# Altium PCB Turbo.PcbDoc (part 3 of 3)
Units mil, origin at the board's own origin, x right, y up, seen from the top; angles counter-clockwise.
Board outline 2244.09 x 2086.61 mil, 4 copper layers (Top Layer, GND, Power, Bottom Layer), stack 23.756 mil thick; 189 components, 157 nets, 733 pads, 481 vias.
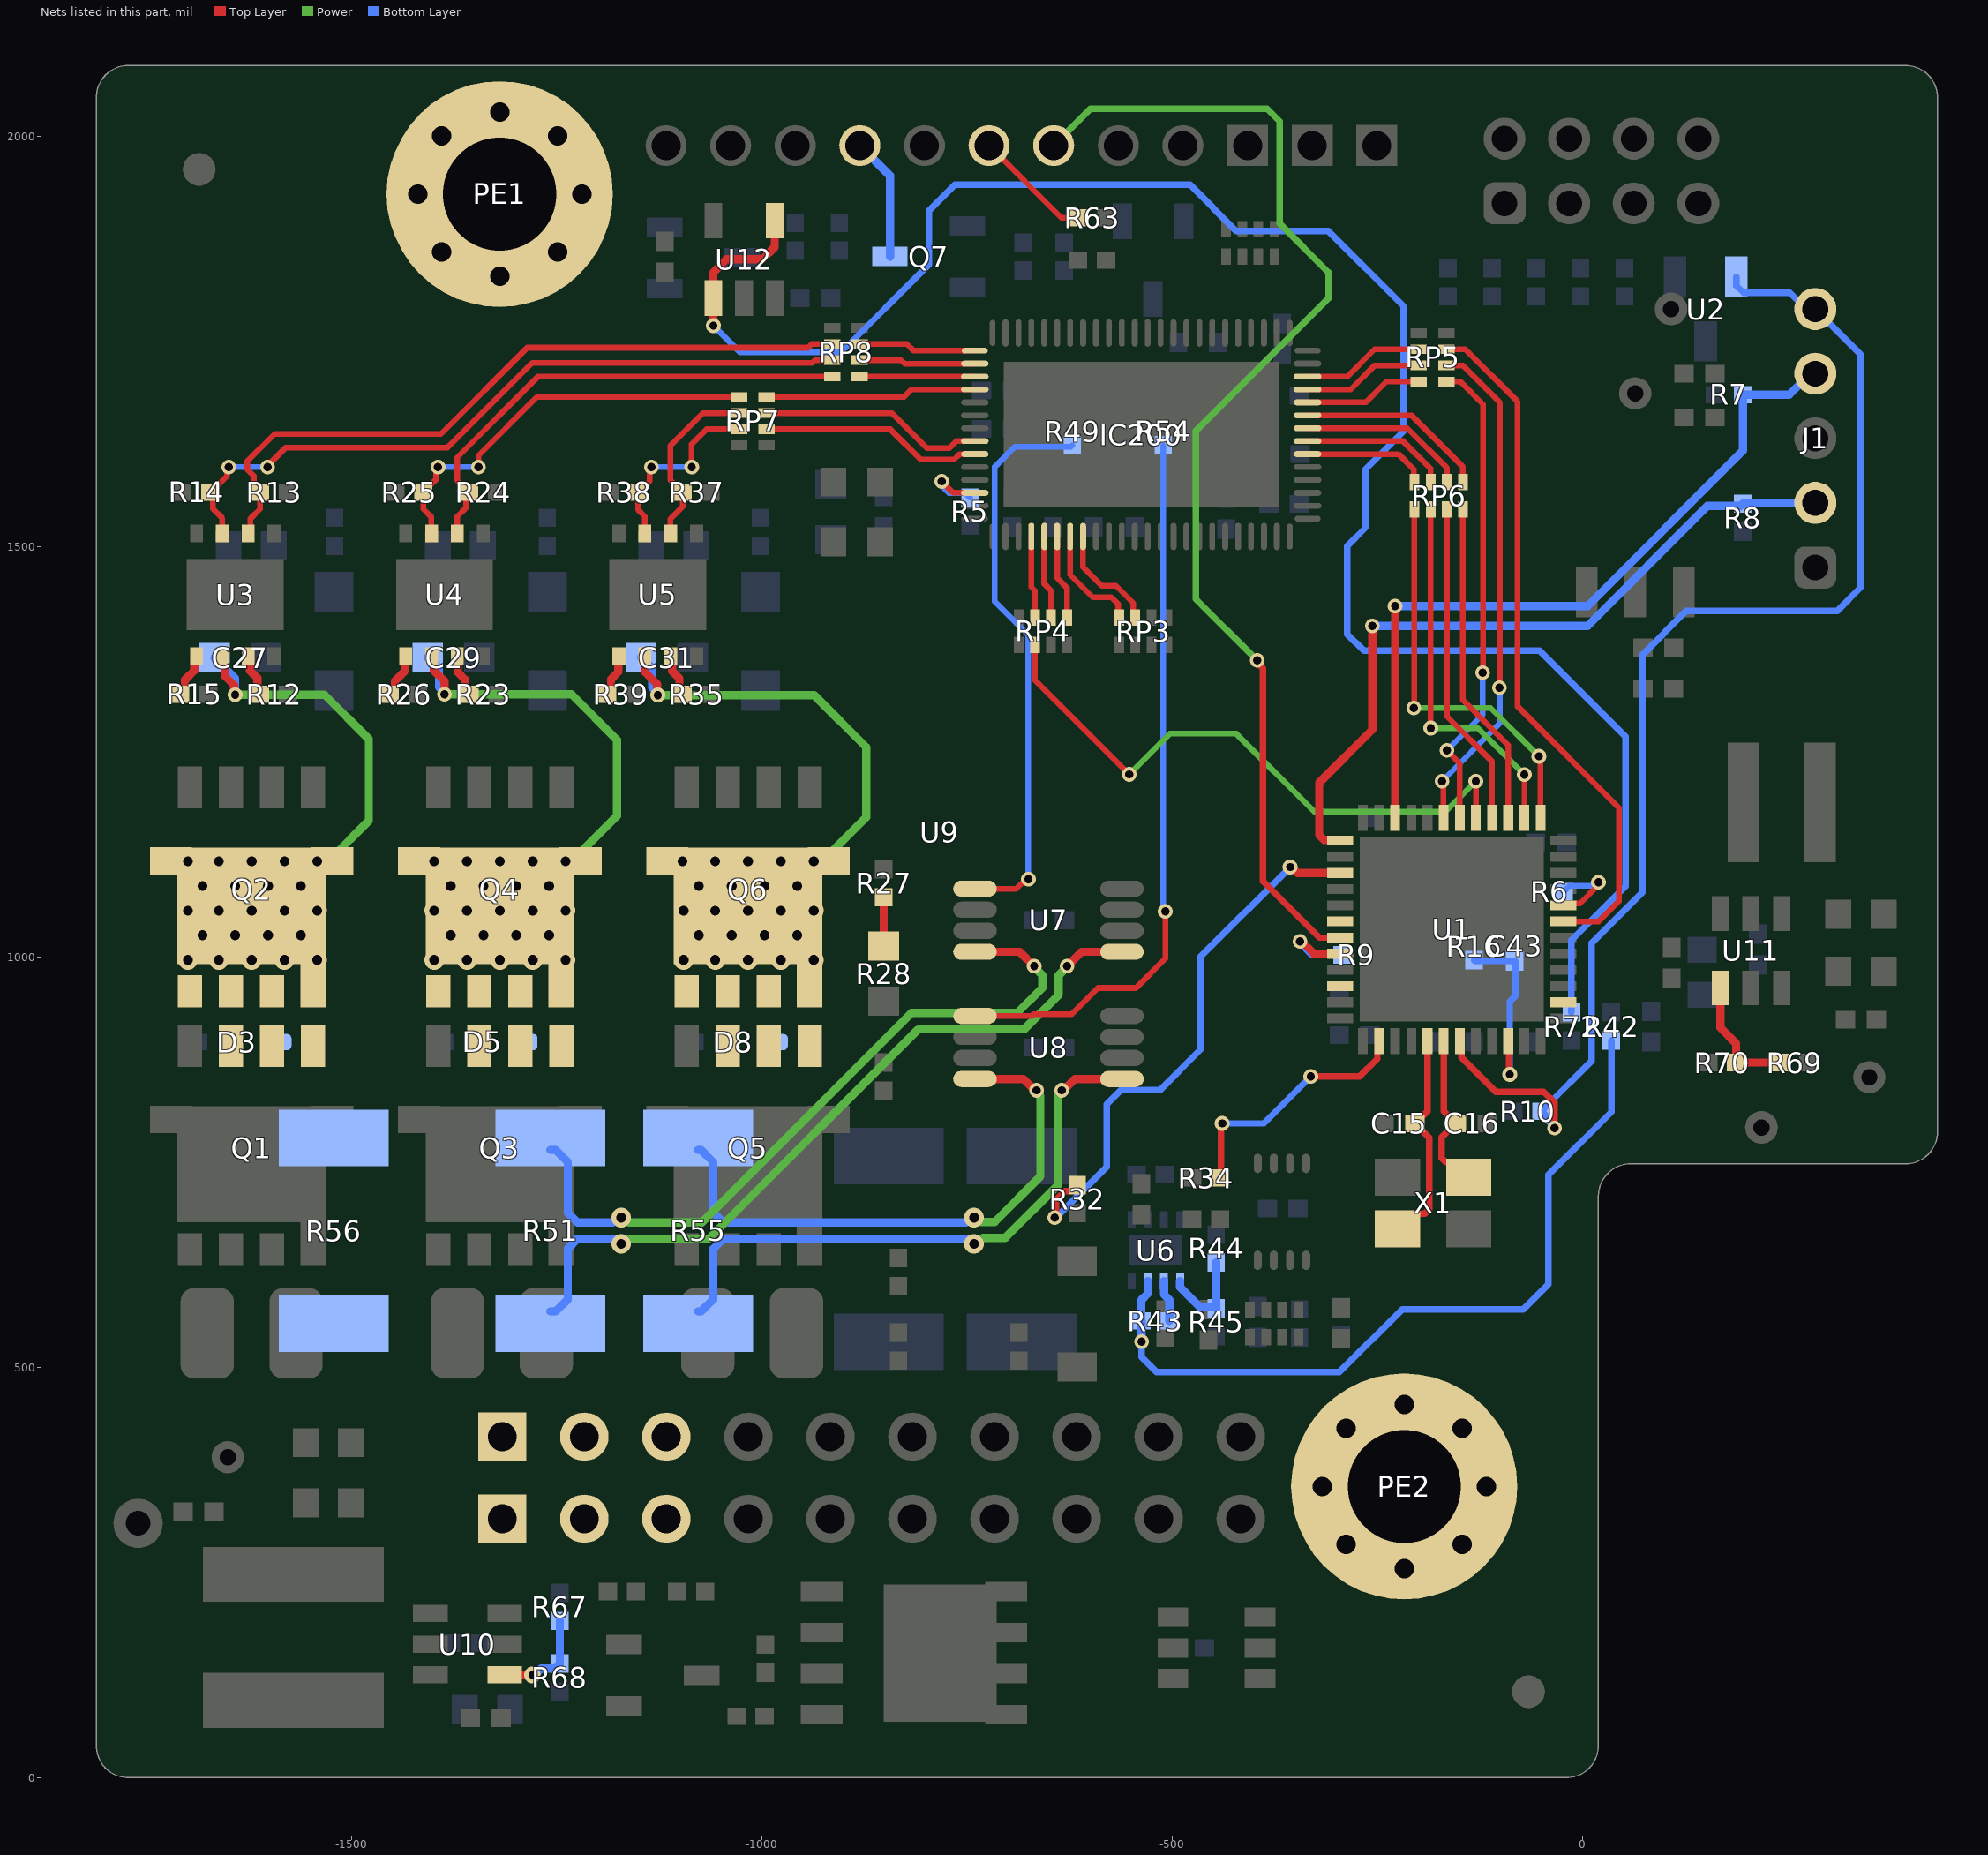
[diagram p5: the nets of this part, all layers, seen from the top]

## Via types
v1: diameter 24, hole 12, Top Layer to Bottom Layer, 215 vias
v2: diameter 18, hole 10, Top Layer to Bottom Layer, 185 vias
v3: diameter 20, hole 10, Top Layer to Bottom Layer, 40 vias
v4: diameter 20, hole 12, Top Layer to Bottom Layer, tented top, 19 vias
v5: diameter 23.62, hole 12, Top Layer to Bottom Layer, tented both sides, 15 vias
v6: diameter 18, hole 10, Top Layer to Bottom Layer, tented top, 4 vias
v7: diameter 20, hole 12, Top Layer to Bottom Layer, 3 vias

## Nets (pads, with @x,y where several pads share a name; then routed paths per layer and width w, separated by ;. In a path a pad name is that pad's centre, name@x,y a point inside that pad or via, vN(x,y) a via of type N, cw(c..) or ccw(c..) an arc to the next point about the centre after c; other vN are vias at no path point) (continued)
NetR6_1: R6.1 U1.20 | length 103.6
  Top Layer w7: U1.20@-23.13,1063.11 -20.79,1065.46 -2.63,1065.46 17.61,1085.69 17.61,1088.96 v2(19.71,1091.07)
  Bottom Layer w7: R6.1@-22.86,1079.69 -15.73,1086.82 12.49,1086.82 16.74,1091.07 v2(19.71,1091.07)
NetR9_1: R9.1 U1.44 | length 113.9
  Top Layer w10: v2(-344.05,1019.05) -341.89,1019.05 -326.9,1004.06 U1.44@-295.13,1004.06
  Bottom Layer w10: v2(-344.05,1019.05) -344.05,1018.61 -329.17,1003.73 -293.29,1003.73 R9.1@-292.31,1002.75
NetR12_1: R12.1 U3.7 | length 52.5
  Top Layer w10: U3.7@-1625.9,1366.81 -1623.77,1364.67 -1623.77,1349.03 -1614.74,1340 -1614.74,1323.6 R12.1@-1611.45,1320.31
NetR15_1: R15.1 U3.5 | length 54.7
  Top Layer w10: R15.1@-1708.69,1320.31 -1703.04,1325.94 -1703.04,1337.64 -1691.34,1349.34 -1691.34,1364.36 U3.5@-1688.9,1366.81
NetR23_1: R23.1 U4.7 | length 52.6
  Top Layer w10: U4.7@-1370.9,1366.81 -1370.51,1366.41 -1370.51,1347.29 -1361.35,1338.14 -1361.35,1325.47 R23.1@-1356.19,1320.31
NetR26_1: R26.1 U4.5 | length 54.8
  Top Layer w10: R26.1@-1453.34,1320.31 -1452.83,1320.31 -1447.2,1325.94 -1447.2,1336.39 -1435.3,1348.3 -1435.3,1365.41 U4.5@-1433.9,1366.81
NetR27_1: R27.1 R28.2 | length 59.5
  Top Layer w10: R28.2@-851.3,1013.38 R27.1@-851.3,1072.88
NetR35_1: R35.1 U5.7 | length 52.5
  Top Layer w10: U5.7@-1110.9,1366.81 -1109.31,1365.22 -1109.31,1348.49 -1100.28,1339.46 -1100.28,1324.14 R35.1@-1096.45,1320.31
NetR39_1: R39.1 U5.5 | length 52.5
  Top Layer w10: R39.1@-1188.34,1320.31 -1183.72,1324.93 -1183.72,1338.67 -1174.69,1347.69 -1174.69,1366.01 U5.5@-1173.9,1366.81
NetR42_1: R42.1 R43.2 U6.7 | length 972.7
  Bottom Layer w8: v2(-537.08,531.35) -537.27,531.16 -537.27,512.74 -518.75,494.23 -296.23,494.23 -219.52,570.93 -72,570.93 -41.42,601.51 -41.42,734.57 35.37,811.36 R42.1@35.37,898.39
  Bottom Layer w10: v2(-537.08,531.35) -537.17,531.44 -537.17,556.65 R43.2@-537.27,556.75 -537.27,582.38 -529.65,590 -529.65,605.39 U6.7@-529.57,605.47
NetR43_1: R43.1 U6.6 | length 51.5
  Bottom Layer w10: U6.6@-509.89,605.47 -509.81,605.39 -509.81,589 -503.19,582.38 R43.1@-503.19,556.75
NetR44_1: R44.1 R45.2 U6.5 | length 118.2
  Bottom Layer w10: U6.5@-490.2,605.47 -490.2,597.82 -466.07,573.69 -448.02,573.69 R45.2@-446.3,571.96 R44.1@-446.3,627.88
NetR49_1: R49.1 U7.5 | length 694.8
  Top Layer w7: U7.5@-740.15,1083.31 -689.67,1083.31 -677.98,1095 v2(-675,1095)
  Bottom Layer w7: v2(-675,1095) -675,1392.32 -715.96,1433.27 -715.96,1597.48 -691.39,1622.04 -623.16,1622.04 R49.1@-621.5,1623.7
NetR54_1: R54.1 U8.5 | length 887.5
  Top Layer w7: U8.5@-740.15,928.31 -671.04,928.31 -669.1,930.25 -622.58,930.25 -590.41,962.42 -543.84,962.42 -508.2,998.06 v2(-508.2,1055.75)
  Bottom Layer w7: R54.1@-510.74,1623.7 -510.74,1061.26 -508.2,1058.73 v2(-508.2,1055.75)
NetR63_2: R63.2 U9.27 | length 150.2
  Top Layer w7: U9.27@-722.92,1989.05 -634.93,1901.07 R63.2@-609.11,1901.07
NetR67_1: R67.1 R68.1 U10.4 | length 125.1
  Top Layer w10: U10.4@-1313.23,125.26 v3(-1279.44,125.26)
  Bottom Layer w10: v3(-1279.44,125.26) -1276.73,125.26 -1268.88,133.11 -1251.65,133.11 -1246.02,138.74 R68.1@-1246.02,139.24 R67.1@-1246.02,191.09
NetR69_1: R69.1 R70.1 U11.4 | length 153
  Top Layer w10: U11.4@168.22,962.47 168.22,914.03 187.55,894.69 R70.1@187.55,871.45 R69.1@241.51,871.45
NetR72_2: R72.2 U12.1 U12.4 | length 2405.7
  Top Layer w10: v2(-1058.94,1769.52) U12.1@-1058.94,1803.03 -1058.94,1834.31 -1042.98,1850.28 -998.95,1850.28 -984.14,1865.09 U12.4@-984.14,1897.52
  Bottom Layer w8: v2(-1058.94,1769.52) -1026.66,1737.24 -902.99,1737.24 -796.08,1844.16 -796.08,1909.75 -764.62,1941.21 -478.06,1941.21 -421.85,1885 -309.44,1885 -217.97,1793.54 -217.97,1640.89 -264.19,1594.67 -264.19,1523.22 -286.32,1501.1 -286.32,1393.36 -266.22,1373.27 -51.97,1373.27 52.57,1268.73 52.57,1086.26 -13.24,1020.45 R72.2@-13.24,932.47
nRST: IC200.50 R5.2 | length 92
  Top Layer w7: v2(-780.76,1579.67) -766.84,1565.76 IC200.50@-740.33,1565.76
  Bottom Layer w7: v2(-780.76,1579.67) -780.76,1576.7 -776.82,1572.76 -776.82,1570.41 -771.88,1565.46 -751.88,1565.46 R5.2@-746.28,1559.87
OSC_IN: C15.1 U1.5 X1.1 | length 268.3
  Top Layer w8: X1.1@-225.09,668.77 -206.45,687.41 -191.7,687.41 -186.53,692.58 -186.53,779.84 -196.4,789.7 -196.4,790.69 C15.1@-203.22,797.52 ; U1.5@-188.66,897.59 -188.66,812.08 C15.1@-203.22,797.52 ; C15.1@-203.22,797.52 C15.1@-204.21,797.52 C15.1@-203.22,797.52
OSC_OUT: C16.1 U1.6 X1.3 | length 199.2
  Top Layer w8: U1.6@-168.97,897.59 -168.97,812.24 C16.1@-154.25,797.52 ; C16.1@-153.27,797.52 C16.1@-154.25,797.52 ; X1.3@-138.48,731.76 -157.12,750.4 -166.66,750.4 -171.35,755.08 -171.35,780.42 C16.1@-154.25,797.52
OVER_I: R32.2 U1.39 | length 694.8
  Top Layer w8: v2(-643.13,682.48) -641.21,684.39 -641.21,704.35 -630.73,714.83 -622.21,714.83 -615.58,721.46 R32.2@-615.58,721.96
  Top Layer w10: v2(-356.02,1109.69) -353.86,1109.69 -346.65,1102.48 U1.39@-295.13,1102.48
  Bottom Layer w8: v2(-643.13,682.48) -641.58,682.48 -579.67,744.39 -579.67,820.86 -562.43,838.09 -514.62,838.09 -465,887.71 -465,935.52 -465,1000.71 v2(-356.02,1109.69)
OVER_V_LED: U1.42
PE1: PE1.1
PE2: PE2.1
PWM_H_IDLE: IC200.59 RP3.5 | length 136.6
  Top Layer w7: IC200.59@-624.16,1512.57 -624.16,1465.86 -596.76,1438.47 -573.98,1438.47 -565.34,1429.82 -565.34,1414.9 RP3.5@-564.45,1414.01
PWM_IN: IC200.58 RP4.8 | length 103.6
  Top Layer w7: IC200.58@-639.9,1512.57 -639.9,1461.81 -627.76,1449.67 RP4.8@-627.76,1414.01
PWM_L_IDLE: IC200.60 RP3.6 | length 135.2
  Top Layer w7: IC200.60@-608.41,1512.57 -608.41,1475.2 -585.67,1452.47 -568.18,1452.47 -547.16,1431.45 -547.16,1416.42 RP3.6@-544.76,1414.01
PWM_UX1_H: IC200.39 RP8.2 | length 143.5
  Top Layer w7: RP8.2@-880.49,1747.08 -823.04,1747.08 -814.88,1738.92 IC200.39@-740.33,1738.92
PWM_UX1_H_: R13.2 RP8.7 U3.2 | length 872.7
  Top Layer w7: U3.2@-1625.9,1516.42 -1623.03,1519.29 -1623.03,1534.47 -1611.45,1546.06 R13.2@-1611.45,1566.4 -1611.95,1566.4 -1619.08,1573.53 -1619.08,1586.47 -1627.13,1594.51 -1627.13,1604.1 -1593.72,1637.51 -1390.83,1637.51 -1285.74,1742.6 -943.37,1742.6 -938.88,1747.08 RP8.7@-914.15,1747.08
PWM_UX1_L: IC200.40 RP8.3 | length 141.9
  Top Layer w7: RP8.3@-880.49,1727.4 -830,1727.4 -825.8,1723.2 IC200.40@-740.3,1723.2
PWM_UX1_L_: R14.2 RP8.6 U3.3 | length 877.1
  Top Layer w7: U3.3@-1657.4,1516.42 -1657.4,1534.92 -1669.11,1546.63 -1669.11,1563.66 R14.2@-1671.86,1566.4 -1671.35,1566.4 -1651.63,1586.12 -1651.63,1590.93 v2@-1649.53,1593.03 ; v2(-1602.28,1597.24) v2@-1602.28,1601.23 ; v2@-1599.78,1601.23 -1580.04,1620.97 -1382.82,1620.97 -1279.86,1723.93 -938.88,1723.93 -935.41,1727.4 RP8.6@-914.15,1727.4
  Bottom Layer w7: v2@-1645.32,1597.24 v2(-1602.28,1597.24)
  other v2: -1649.53,1597.24
PWM_VX2_H: IC200.41 RP8.4 | length 140.3
  Top Layer w7: RP8.4@-880.49,1707.71 -880.2,1707.42 IC200.41@-740.33,1707.42
PWM_VX2_H_: R24.2 RP8.5 U4.2 | length 602.6
  Top Layer w7: U4.2@-1370.9,1516.42 -1370.9,1537.05 -1360.49,1547.46 -1360.49,1562.37 R24.2@-1356.45,1566.4 -1356.95,1566.4 -1364.08,1573.53 -1364.08,1574.04 -1370.9,1580.86 -1370.9,1609.11 -1272.77,1707.24 -914.62,1707.24 RP8.5@-914.15,1707.71
PWM_VX2_L: IC200.42 RP7.1 | length 257.3
  Top Layer w7: RP7.1@-993.88,1682.6 -826.53,1682.6 -817.45,1691.67 IC200.42@-740.3,1691.71
PWM_VX2_L_: R25.2 RP7.8 U4.3 | length 499
  Top Layer w7: U4.3@-1402.4,1516.42 -1402.58,1516.6 -1402.58,1536.15 -1412.49,1546.06 R25.2@-1412.49,1566.4 -1411.98,1566.4 -1404.85,1573.53 -1404.85,1574.04 -1396.63,1582.26 -1396.63,1590.93 v2@-1394.53,1593.03 ; v2(-1345.31,1597.24) -1345.31,1611.19 -1273.9,1682.6 RP7.8@-1027.54,1682.6
  Bottom Layer w7: v2(-1394.53,1597.24) v2(-1345.31,1597.24)
PWM_WY1_H: IC200.46 RP7.2 | length 274.7
  Top Layer w7: RP7.2@-993.88,1662.91 -841.31,1662.91 -798.69,1620.29 -771.31,1620.29 -762.88,1628.72 IC200.46@-740.3,1628.72
PWM_WY1_H_: R37.2 RP7.7 U5.2 | length 220.2
  Top Layer w7: U5.2@-1110.9,1516.42 -1111.58,1517.09 -1111.58,1533.64 -1096.45,1548.77 R37.2@-1096.45,1566.4 -1096.95,1566.4 -1104.08,1573.53 -1104.08,1574.04 -1111.58,1581.53 -1111.58,1622.85 -1071.52,1662.91 RP7.7@-1027.54,1662.91
PWM_WY1_L: IC200.47 RP7.3 | length 271.6
  Top Layer w7: RP7.3@-993.88,1643.23 -843.21,1643.23 -806.27,1606.29 -765.51,1606.29 -758.86,1612.93 IC200.47@-740.33,1612.93
PWM_WY1_L_: R38.2 RP7.6 U5.3 | length 233.7
  Top Layer w7: U5.3@-1142.4,1516.42 -1142.4,1537.05 -1150.75,1545.4 R38.2@-1150.75,1566.4 -1150.25,1566.4 -1136.63,1580.02 -1136.63,1595.14 v2(-1134.53,1597.24) ; v2(-1085.31,1597.24) -1085.31,1625.23 -1067.31,1643.23 RP7.6@-1027.54,1643.23
  Bottom Layer w7: v2(-1134.53,1597.24) v2(-1085.31,1597.24)
READY: U1.43 U9.26 | length 1474.3
  Top Layer w8: v2(-396.34,1361.75) -396.34,1359.18 -389.22,1352.07 -389.22,1092.5 -320.47,1023.74 U1.43@-295.13,1023.74
  Power w8: U9.26@-644.18,1989.05 -599.43,2033.8 -384.13,2033.8 -368.75,2018.43 -368.75,1893.75 -309.05,1834.05 -309.05,1803.13 -470.74,1641.45 -470.74,1436.15 v2(-396.34,1361.75)
RESET: J1.5 R10.1 U1.7 U2.2 | length 1603.8
  Top Layer w8: U1.7@-149.29,897.59 -147.29,895.59 -147.29,877.72 -105.45,835.88 -46.98,835.88 -33.87,822.77 v2(-33.87,791.62)
  Bottom Layer w8: v2(-33.87,791.62) -33.87,792.5 -42.67,801.3 -42.67,805.62 R10.1@-49.3,812.25 ; U2.2@187.82,1829.09 187.82,1818.27 196.6,1809.49 253.07,1809.49 272.83,1789.72 J1.5@283.98,1789.72 338.98,1734.72 338.98,1450.08 310.66,1421.75 126.61,1421.75 73.15,1368.3 73.15,1078.66 11.44,1016.95 11.44,873.49 -42.67,819.37 -42.67,818.88 R10.1@-49.3,812.25 ; R10.1@-49.3,812.25 R10.1@-49.81,812.25 R10.1@-49.3,812.25
RESET_OVER_I: R34.2 U1.2 | length 311.5
  Top Layer w8: R34.2@-441.36,731.04 -440.09,732.31 -440.09,796.1 v2(-438.82,797.37) ; v2(-330.86,854.54) -330.76,854.43 -271.31,854.43 -249.71,876.03 -249.71,895.59 U1.2@-247.71,897.59
  Bottom Layer w8: v2(-438.82,797.37) -388.03,797.37 v2(-330.86,854.54)
SD_DIR: IC200.56 RP4.6 | length 100.3
  Top Layer w7: IC200.56@-671.4,1512.57 -671.4,1450.83 -667.13,1446.56 RP4.6@-667.13,1414.01
SD_STP: IC200.57 RP4.7 | length 102
  Top Layer w7: IC200.57@-655.65,1512.57 -655.65,1454.88 -647.45,1446.68 RP4.7@-647.45,1414.01
SPEED_HALL: Q7.3 U9.29 | length 150.5
  Bottom Layer w10: U9.29@-880.4,1989.05 -843.72,1952.38 Q7.3@-843.72,1853.7
SPI2_MISO: RP6.1 U1.27 | length 398.5
  Top Layer w7: RP6.1@-145.4,1545.28 -145.4,1313.35 -90.23,1258.19 U1.27@-90.23,1169.59
SPI2_MOSI: RP6.2 U1.28 | length 398.5
  Top Layer w7: RP6.2@-165.09,1545.28 -165.09,1293.49 -109.92,1238.32 U1.28@-109.92,1169.59
SPI2_NSS: RP6.4 U1.25 | length 494.7
  Top Layer w7: v2(-205.24,1303.65) -204.85,1304.05 -204.85,1544.88 RP6.4@-204.46,1545.28 ; v2(-52.84,1244.77) -51.05,1242.98 -51.05,1169.77 U1.25@-50.86,1169.59
  Power w7: v2(-205.24,1303.65) -111.72,1303.65 v2@-52.85,1244.78
SPI2_SCK: RP6.3 U1.26 | length 456.7
  Top Layer w7: v2(-184.71,1278.99) RP6.3@-184.74,1545.25 ; U1.26@-70.55,1169.59 v2(-70.55,1222.3)
  Power w7: v2(-184.71,1278.99) -127.24,1278.99 v2(-70.55,1222.3)
SPI_MISO: IC200.9 RP6.8 | length 233.8
  Top Layer w7: IC200.9@-334.79,1660.21 -208.25,1660.21 -145.4,1597.36 RP6.8@-145.4,1578.94
SPI_MOSI: IC200.8 RP6.7 | length 207
  Top Layer w7: IC200.8@-334.75,1644.43 -213.27,1644.43 -165.09,1596.25 RP6.7@-165.09,1578.94
SPI_nSCS: IC200.6 RP6.5 | length 152.9
  Top Layer w7: IC200.6@-334.79,1612.97 -223.94,1612.97 -205.53,1594.56 -205.53,1580.01 RP6.5@-204.46,1578.94
SPI_SCK: IC200.7 RP6.6 | length 180.1
  Top Layer w7: IC200.7@-334.79,1628.72 -218.37,1628.72 -184.93,1595.28 -184.93,1579.1 RP6.6@-184.77,1578.94
STATUS: IC200.12 RP5.7 | length 149.4
  Top Layer w7: IC200.12@-334.79,1707.46 -286.38,1707.46 -253.11,1740.72 RP5.7@-199.16,1740.72
STATUS_: RP5.2 U1.19 | length 850.8
  Top Layer w7: RP5.2@-165.5,1740.72 -142.57,1740.72 -78.83,1676.99 -78.83,1305.35 44.48,1182.04 44.48,1068.19 19.71,1043.43 U1.19@-23.13,1043.43
TCK/SWCLK: J1.2 R8.1 U1.37 | length 912.1
  Top Layer w10: U1.37@-295.13,1141.85 -296.13,1142.85 -314.85,1142.85 -320.71,1148.71 -320.71,1212.43 -255.82,1277.32 v2(-255.82,1403.69)
  Bottom Layer w10: v2(-255.82,1403.69) 6.45,1403.69 152.48,1549.72 192.9,1549.72 R8.1@195.63,1552.45 203.99,1552.45 204.52,1552.98 283.45,1552.98 J1.2@283.98,1553.5
TIM1_CH1: RP4.3 U1.29 | length 747.7
  Top Layer w7: RP4.3@-667.13,1380.35 -667.13,1337.64 v2(-552.21,1222.73) ; v2(-129.79,1214.35) -129.7,1214.25 -129.7,1169.68 U1.29@-129.6,1169.59
  Power w7: v2(-552.21,1222.73) -502.7,1272.24 -421.65,1272.24 -326.65,1177.24 -166.89,1177.24 v2(-129.79,1214.35)
TMS/SWDIO: J1.4 R7.1 U1.34 | length 927.8
  Top Layer w10: v2(-228.12,1427.92) -228.12,1394.33 -228.03,1394.24 U1.34@-228.03,1169.59
  Bottom Layer w10: v2(-228.12,1427.92) 6.64,1427.92 195.63,1616.91 R7.1@195.63,1685.39 252.16,1685.39 277.75,1710.98 J1.4@283.98,1710.98
TUR_T_ADC: U1.14
U_X1_PHASE_N: R56.1 U9.1 U9.2
U_X1_PHASE_P: C27.1 D3.2 Q1.1 Q1.2 Q1.3 Q2.5 Q2.6 Q2.7 Q2.8 R56.2 U3.6 | length 477.8
  Top Layer w10: U3.6@-1657.4,1366.81 -1654.53,1363.94 -1654.53,1342.88 -1643.18,1331.53 -1643.18,1321.33 v2(-1641.65,1319.8)
  Power w10: v2(-1641.65,1319.8) -1532.96,1319.8 -1478.85,1265.68 -1478.85,1166.3 -1526,1119.15 -1539.12,1119.15 v1(-1541.65,1116.61)
  Bottom Layer w10: C27.1@-1667.08,1364.92 -1666.09,1364.92 -1653.38,1352.2 -1653.38,1351.22 -1641.65,1339.5 v2(-1641.65,1319.8)
  other v1: -1699.36,996.61 -1661.65,996.61 -1621.65,996.61 -1581.65,996.61 -1541.65,996.61 -1681.65,1026.61 -1641.65,1026.61 -1601.65,1026.61 -1561.65,1026.61 -1699.36,1056.61 -1661.65,1056.61 -1621.65,1056.61 -1581.65,1056.61 -1541.65,1056.61 -1681.65,1086.61 -1641.65,1086.61 -1601.65,1086.61 -1561.65,1086.61 -1699.36,1116.61 -1661.65,1116.61 -1621.65,1116.61 -1581.65,1116.61
USART1_RX_MCU: RP5.3 U1.31 | length 619.9
  Top Layer w7: v2(-171.02,1214.35) -169.5,1212.83 -169.5,1170.12 U1.31@-168.97,1169.59 ; RP5.3@-165.03,1721.04 -145.62,1721.04 -100.45,1675.87 -100.45,1328.78 v2(-100.92,1328.32)
  Bottom Layer w7: v2(-171.02,1214.35) -100.62,1284.75 -100.62,1328.02 v2(-100.92,1328.32)
USART1_TX_MCU: RP5.4 U1.30 | length 584.9
  Top Layer w7: RP5.4@-165.5,1701.35 -148.68,1701.35 -120.96,1673.63 -120.96,1347.18 v2(-121.56,1346.58) ; v2(-165.12,1251.97) -149.29,1236.13 U1.30@-149.29,1169.59
  Bottom Layer w7: v2(-165.12,1251.97) -121.56,1295.53 v2(-121.56,1346.58)
USART_RXD: IC200.10 RP5.5 | length 146.1
  Top Layer w7: IC200.10@-334.79,1675.96 -263.93,1675.96 -238.54,1701.35 RP5.5@-199.16,1701.35
USART_TXD: IC200.11 RP5.6 | length 147.8
  Top Layer w7: IC200.11@-334.79,1691.71 -282.33,1691.71 -252.99,1721.04 RP5.6@-199.16,1721.04
V_X2_PHASE_N: R51.1 U7.1 U9.3 U9.4 | length 933.9
  Top Layer w10: v2(-628.01,988.96) -627.79,988.96 -610.22,1006.53 U7.1@-561.02,1006.53
  Power w10: v1(-1171.3,650.61) -1167.51,650.61 -1161.51,656.61 -1064.61,656.61 -809.3,911.92 -680.3,911.92 -638.01,954.21 -638.01,978.11 -628.01,988.11 v2(-628.01,988.96)
  Bottom Layer w10: R51.1@-1257.65,568.19 -1250.98,568.19 -1236.3,582.87 -1236.3,644.76 -1224.44,656.61 -1181.09,656.61 -1175.09,650.61 v1(-1171.3,650.61)
V_X2_PHASE_P: C29.1 D5.2 Q3.1 Q3.2 Q3.3 Q4.5 Q4.6 Q4.7 Q4.8 R51.2 U4.6 U7.8 | length 1424.5
  Top Layer w10: U4.6@-1402.4,1366.81 -1399.78,1364.19 -1399.78,1349.52 -1386.65,1336.39 v2(-1386.65,1320.31) ; U7.8@-740.15,1006.53 -685.79,1006.53 -668.22,988.96 v2(-668.01,988.96)
  Power w10: v2(-1386.65,1320.31) -1231.87,1320.31 -1176.25,1264.69 -1176.25,1172.12 -1226.36,1122.01 -1229.97,1122.01 -1235.36,1116.61 v1(-1239.15,1116.61) ; v1(-1171.3,682.61) -1167.51,682.61 -1161.51,676.61 -1072.89,676.61 -817.58,931.92 -688.58,931.92 -658.01,962.5 -658.01,978.11 -668.01,988.11 v2(-668.01,988.96)
  Bottom Layer w10: C29.1@-1407.08,1364.92 -1406.09,1364.92 -1393.38,1352.2 -1393.38,1329.2 -1386.65,1322.48 v2(-1386.65,1320.31) ; R51.2@-1257.65,765.04 -1250.98,765.04 -1236.3,750.35 -1236.3,688.47 -1224.44,676.61 -1181.09,676.61 -1175.09,682.61 v1(-1171.3,682.61)
  other v1: -1399.15,996.61 -1359.15,996.61 -1319.15,996.61 -1279.15,996.61 -1239.15,996.61 -1379.15,1026.61 -1339.15,1026.61 -1299.15,1026.61 -1259.15,1026.61 -1399.15,1056.61 -1359.15,1056.61 -1319.15,1056.61 -1279.15,1056.61 -1239.15,1056.61 -1379.15,1086.61 -1339.15,1086.61 -1299.15,1086.61 -1259.15,1086.61 -1399.15,1116.61 -1359.15,1116.61 -1319.15,1116.61 -1279.15,1116.61
VM_ADC: C43.2 R16.2 U1.10 | length 232.3
  Top Layer w8: U1.10@-90.23,897.59 -89.3,896.66 -89.3,858.06 v2(-88.37,857.13)
  Bottom Layer w8: R16.2@-131.79,996.22 -131.23,995.66 -82.41,995.66 -81.85,995.1 -81.85,952.33 -88.37,945.8 v2(-88.37,857.13)
W_Y1_PHASE_N: R55.1 U8.1 U9.5 U9.6 | length 740
  Top Layer w10: v2(-634.45,837.63) -632.28,837.63 -618.38,851.54 U8.1@-561.02,851.54
  Power w10: v1(-741.3,650.61) -737.51,650.61 -730.3,657.82 -703.38,657.82 -639.06,722.14 -639.06,830.85 -634.45,835.47 v2(-634.45,837.63)
  Bottom Layer w10: R55.1@-1077.65,568.19 -1073.84,568.19 -1059.15,582.87 -1059.15,644.38 -1046.92,656.61 -751.09,656.61 -745.09,650.61 v1(-741.3,650.61)
W_Y1_PHASE_P: C31.1 D8.2 Q5.1 Q5.2 Q5.3 Q6.5 Q6.6 Q6.7 Q6.8 R55.2 U5.6 U8.8 | length 1265.5
  Top Layer w10: U5.6@-1142.4,1366.81 -1142.09,1366.5 -1142.09,1347.21 -1127.4,1332.52 -1127.4,1320.08 v2(-1126.65,1319.33) ; U8.8@-740.15,851.54 -681.07,851.54 -667.17,837.63 v2(-665,837.63)
  Power w10: v2(-1126.65,1319.33) -936.34,1319.33 -872.66,1255.64 -872.66,1170.61 -923.97,1119.29 -933.97,1119.29 v1(-936.65,1116.61) ; v1(-741.3,682.61) -737.51,682.61 -732.08,677.18 -716.23,677.18 -660.47,732.94 -660.47,830.93 -665,835.47 v2(-665,837.63)
  Bottom Layer w10: C31.1@-1147.08,1364.92 -1146.09,1364.92 -1133.38,1352.2 -1133.38,1328.22 -1126.65,1321.5 v2(-1126.65,1319.33) ; R55.2@-1077.65,765.04 -1073.84,765.04 -1059.15,750.35 -1059.15,688.85 -1046.92,676.61 -751.09,676.61 -745.09,682.61 v1(-741.3,682.61)
  other v1: -1095.2,996.61 -1056.65,996.61 -1016.65,996.61 -976.65,996.61 -936.65,996.61 -1076.65,1026.61 -1036.65,1026.61 -996.65,1026.61 -956.65,1026.61 -1095.2,1056.61 -1056.65,1056.61 -1016.65,1056.61 -976.65,1056.61 -936.65,1056.61 -1076.65,1086.61 -1036.65,1086.61 -996.65,1086.61 -956.65,1086.61 -1096.65,1116.61 -1056.65,1116.61 -1016.65,1116.61 -976.65,1116.61
WORK_LED: U1.46
pads on no net: IC200.21 IC200.22 IC200.31 IC200.48 IC200.49 IC200.74 MARK1.0 MARK2.0 MARK3.0 MARK4.0 RP7.4 RP7.5 RP8.1 RP8.8 RP9.5 TVS1.4 U1.15 U1.21 U1.22 U1.32 U1.33 U1.38 U7.4 U8.4 U9.28 Y1.1

## Polygon pours and split planes (outlines as drawn)
GND on Top Layer "GND_L01_P114" (solid, remove dead copper, pour order 114): -1811.02,39.37 ccw(c-1771.65,39.37) -1771.65,0 -19.69,0 ccw(c-19.69,39.37) 19.68,39.37 19.68,708.66 cw(c59.06,708.66) 59.06,748.03 393.7,748.03 ccw(c393.7,787.4) 433.07,787.4 433.07,2047.24 ccw(c393.7,2047.24) 393.7,2086.61 -1771.65,2086.61 ccw(c-1771.65,2047.24) -1811.02,2047.24
12V on Top Layer "Top Layer-12V" (solid, remove dead copper, pour order 105): -1681.26,214.31 -1460.79,214.31 -1460.79,281.24 -1503.83,281.24 -1539.88,317.28 -1539.88,427.32 -1668.31,427.32 -1681.26,414.37
24V_TRUBO on Top Layer "Top Layer-24V_TRUBO" (solid, remove dead copper, pour order 75): -1746.65,466.61 -1106.65,466.61 -1065.79,425.75 -1065.79,280.36 -952.67,167.24 -952.67,115.07 -900.5,115.07 -900.5,238.69 -905.07,238.69 -966.65,300.28 -966.65,435.87 -939.64,462.89 -900.5,462.89 -886.65,476.74 -886.65,506.61 -886.65,821.61 -1746.65,821.61
NetC44_1 on Top Layer "NETC44_1_L01_P095" (solid, remove dead copper, pour order 95): -1681.35,60.77 -1681.35,135.73 -1509.64,135.73 -1472.24,173.13 -1421.82,173.13 -1421.82,155.18 -1441.42,135.58 -1441.42,60.77
3V3 on Top Layer "3V3_L01_P099" (solid, remove dead copper, pour order 99): 27.04,1555.22 88.46,1555.22 135.96,1602.72 135.96,1721.81 63.46,1721.81 27.04,1685.39
5V on Top Layer "5V_L01_P098" (solid, pour order 98): 110.33,1476.05 110.33,1398.83 99.57,1388.07 99.57,1316.42 138.15,1316.42 149.74,1328.01 149.74,1463.1 136.79,1476.05
5V on Top Layer "Top Layer-5V" (solid, remove dead copper, pour order 97): 286.73,848.04 300.77,833.99 377.16,833.99 387.35,844.18 387.35,1228.36 354.58,1261.12 270.38,1261.12 270.38,1115.06 329.65,1115.06 343.98,1100.74 343.98,902.24 336.42,894.69 299.34,894.69 286.73,882.08
NetC51_1 on Top Layer "NETC51_1_L01_P094" (solid, remove dead copper, pour order 94): 176.98,1261.12 216.09,1261.12 216.09,1065.71 195.14,1065.71 195.14,1090.55 176.98,1108.72
NetQ8_D on Top Layer "Top Layer-NetQ8_D" (solid, remove dead copper, pour order 91): -851.48,65.07 -676.49,65.07 -675.58,65.98 -675.58,444.67 -685.84,454.92 -750.08,454.92 -761.3,443.7 -761.3,270.7 -793.31,238.69 -851.48,238.69
Current_SUM on Top Layer "CURRENT_SUM_L01_P014" (solid, remove dead copper, pour order 14): -1061.65,1166.61 -1061.65,1264.08 -891.65,1264.08 -891.65,1166.61
Current_SUM on Top Layer "CURRENT_SUM_L01_P013" (solid, remove dead copper, pour order 13): -1364.15,1166.61 -1364.15,1264.08 -1194.15,1264.08 -1194.15,1166.61
Current_SUM on Top Layer "CURRENT_SUM_L01_P012" (solid, remove dead copper, pour order 12): -1666.65,1166.61 -1666.65,1264.08 -1496.65,1264.08 -1496.65,1166.61
W_Y1_PHASE_P on Top Layer "W_Y1_PHASE_P_L01_P008" (solid, remove dead copper, pour order 8): -891.65,1126.61 -891.65,866.61 -1056.65,866.61 -1056.65,916.61 -1068.83,928.79 -1125.04,929.05 -1141.65,945.66 -1141.65,1126.61
V_X2_PHASE_P on Top Layer "V_X2_PHASE_P_L01_P007" (solid, remove dead copper, pour order 7): -1194.15,1126.61 -1194.15,866.61 -1359.15,866.61 -1359.15,916.61 -1371.26,928.72 -1427.47,928.98 -1444.15,945.66 -1444.15,1126.61
U_X1_PHASE_P on Top Layer "U_X1_PHASE_P_L01_P005" (solid, remove dead copper, pour order 5): -1496.65,1126.61 -1496.65,866.61 -1661.65,866.61 -1661.65,916.61 -1673.83,928.79 -1730.04,929.05 -1746.65,945.66 -1746.65,1126.61
5V on Bottom Layer "5V_L04_P115" (solid, remove dead copper, pour order 115): 283.41,904.49 382.94,904.49 382.94,841.13 368.02,826.21 62.98,826.21 54.72,834.48 54.72,866.79 61.29,873.36 252.28,873.36
GND on Bottom Layer "GND_L04_P121" (solid, remove dead copper, pour order 121): -1811.02,39.37 ccw(c-1771.65,39.37) -1771.65,0 -19.69,0 ccw(c-19.69,39.37) 19.68,39.37 19.68,708.66 cw(c59.06,708.66) 59.06,748.03 393.7,748.03 ccw(c393.7,787.4) 433.07,787.4 433.07,2047.24 ccw(c393.7,2047.24) 393.7,2086.61 -1771.65,2086.61 ccw(c-1771.65,2047.24) -1811.02,2047.24
Current_SUM on Bottom Layer "Bottom Layer-I_SUM" (solid, remove dead copper, pour order 32): -876.65,1111.61 -876.65,846.61 -921.65,801.61 -921.65,721.61 -601.3,721.61 -601.3,801.29 -656.13,801.61 -716.65,862.13 -716.65,1171.61 -812.28,1267.24 -1666.65,1267.24 -1666.65,1154.92 -919.96,1154.92
V_X2_PHASE_P on Bottom Layer "V_X2_PHASE_P_L04_P029" (solid, remove dead copper, pour order 29): -1178.39,1136.61 -1178.39,746.61 -1381.65,746.61 -1381.65,864.53 -1444.15,927.03 -1444.15,1136.61
U_X1_PHASE_P on Bottom Layer "U_X1_PHASE_P_L04_P028" (solid, remove dead copper, pour order 28): -1466.65,1136.61 -1466.65,877.42 -1420.58,831.35 -1420.58,746.61 -1640.58,746.61 -1640.58,819.21 -1746.65,925.28 -1746.65,1136.61
W_Y1_PHASE_P on Bottom Layer "W_Y1_PHASE_P_L04_P009" (solid, remove dead copper, pour order 9): -916.65,1136.61 -891.65,1111.61 -891.65,856.61 -951.65,796.61 -951.65,746.61 -1163.35,746.61 -1163.35,1136.61
W_Y1_PHASE_N on Bottom Layer "W_Y1_PHASE_N_L04_P043" (solid, remove dead copper, pour order 43): -996.65,591.61 -996.65,520.71 -1066.65,450.71 -1066.65,276.61 -1072.69,270.57 -1154.54,270.57 -1163.35,279.38 -1163.35,591.61
U_X1_PHASE_N on Bottom Layer "U_X1_PHASE_N_L04_P089" (solid, remove dead copper, pour order 89): -1420.58,591.61 -1420.58,495.74 -1381.46,456.61 -1298.16,456.61 -1271.65,430.11 -1271.65,278.91 -1280.15,270.41 -1545.45,270.41 -1640.12,365.08 -1640.12,591.61
V_X2_PHASE_N on Bottom Layer "V_X2_PHASE_N_L04_P026" (solid, remove dead copper, pour order 26): -1336.65,591.61 -1336.65,511.61 -1261.65,436.61 -1261.65,278.59 -1253.63,270.57 -1187.23,270.57 -1178.6,279.2 -1178.6,591.61
Current_SUM on Power "CURRENT_SUM_L03_P124" (solid, remove dead copper, pour order 124): -1061.65,1166.61 -1061.65,1264.08 -891.65,1264.08 -891.65,1166.61
Current_SUM on Power "CURRENT_SUM_L03_P123" (solid, remove dead copper, pour order 123): -1364.15,1166.61 -1364.15,1264.08 -1194.15,1264.08 -1194.15,1166.61
Current_SUM on Power "CURRENT_SUM_L03_P122" (solid, remove dead copper, pour order 122): -1666.65,1166.61 -1666.65,1264.08 -1496.65,1264.08 -1496.65,1166.61
5V on Power "Power-5V" (solid, remove dead copper, pour order 113): -570.65,432.79 -558.31,445.13 -139.87,445.13 -43.48,541.52 -43.48,723.95 7.57,775 105.38,775 105.38,906.52 -43.48,906.52 -307.68,642.32 -469.98,642.32 -558.31,730.65 -558.31,1027.9 -616.36,1085.95 -696.67,1085.95 -718.71,1063.92 -718.71,496.76 -660,438.05 -660,379.27 -640.73,360 -590,360 -590,361.81 -570.65,381.16
GND on Power "GND_L03_P120" (solid, remove dead copper, pour order 120): -1811.02,39.37 ccw(c-1771.65,39.37) -1771.65,0 -19.69,0 ccw(c-19.69,39.37) 19.68,39.37 19.68,708.66 cw(c59.06,708.66) 59.06,748.03 393.7,748.03 ccw(c393.7,787.4) 433.07,787.4 433.07,2047.24 ccw(c393.7,2047.24) 393.7,2086.61 -1771.65,2086.61 ccw(c-1771.65,2047.24) -1811.02,2047.24
12V on Power "Power-12V" (solid, remove dead copper, pour order 118): -1782.65,392.65 -1689.18,299.18 -1585,299.18 -1585,375 -1632.88,422.88 -1674.86,422.88 -1754.71,502.74 -1782.65,502.74
3V3 on Power "3V3_L03_P111" (solid, remove dead copper, pour order 111): 19.68,1369.69 99.17,1449.17 296.55,1449.17 309.57,1462.19 309.57,1496.85 298.05,1508.37 213.46,1508.37 155,1566.83 155,1699.87 25,1829.87 25,2020.48 5.48,2040 -266.27,2040 -292.22,2014.05 -292.22,1757.78 -327.94,1722.06 -884.22,1722.06 -985,1621.28 -985,1435.7 -718.71,1169.4 -718.71,1134.18 -699.52,1115 -627.79,1115 -560,1047.21 -560,751.89 -480.37,672.26 -291.73,672.26 19.68,983.67
24V_Power on Power "24V_POWER_L03_P106" (solid, remove dead copper, pour order 106): -445.73,315.6 -445.73,227.77 -470.5,203 -361.9,203 -386.67,227.77 -386.67,315.6
Current_SUM on Power "CURRENT_SUM_L03_P047" (solid, remove dead copper, pour order 47): -1714.1,598.47 -1700.96,611.61 -1059.6,611.61 -871.3,799.92 -720.58,799.92 -720.58,736.03 -767.63,688.98 -767.63,650.18 -936.2,481.61 -1702.28,481.61 -1714.1,493.44
GND on GND "GND_L02_P116" (solid, remove dead copper, pour order 116): -1811.02,39.37 ccw(c-1771.65,39.37) -1771.65,0 -19.69,0 ccw(c-19.69,39.37) 19.68,39.37 19.68,708.66 cw(c59.06,708.66) 59.06,748.03 393.7,748.03 ccw(c393.7,787.4) 433.07,787.4 433.07,2047.24 ccw(c393.7,2047.24) 393.7,2086.61 -1771.65,2086.61 ccw(c-1771.65,2047.24) -1811.02,2047.24

## Keep-outs
Bottom Layer:
  region: -207.71,871.13 -286.87,791.97 -286.87,643.34 -265.17,621.64 -106.87,621.64 -82.68,645.83 -82.68,790.74 -163.08,871.13

## Other copper
Top Layer:
  pour cut-out: 77.43,1403.85 83.79,1403.85 99.57,1388.07
  pour cut-out: 217.07,1271.12 269.39,1271.12 269.39,1105.85 217.07,1105.85
  pour cut-out: -944.82,606.06 -862.04,606.06 -844.04,588.05 -844.04,521.35 -925.04,521.35 -925.04,554.01
  pour cut-out: -1041.53,146.73 -1013.93,146.73 -1006.21,139.02
  pour cut-out: -901.68,55.65 -851.48,55.65 -851.48,115.07 -900.5,115.07
  pour cut-out: -901.49,245.54 -851.48,245.54 -851.48,218.53 -854.95,215.07 -901.49,215.07
  pour cut-out: -1460.79,214.31 -1460.79,188.13 -1513.18,135.73 -1690.77,135.73 -1690.77,214.31
  pour cut-out: -891.65,1166.61 -892.64,1165.63 -892.64,1133.78 -905.94,1133.78 -906.65,1134.49 -906.65,1166.61
  pour cut-out: -1195.14,1133.78 -1140.67,1133.78 -1106.42,1168.03 -1106.42,1181.02 -1179.74,1181.02 -1194.15,1166.61
  pour cut-out: -891.65,866.61 -871.93,846.89 -871.93,821.61 -900.06,821.61 -916.89,838.44 -916.89,866.61
  pour cut-out: -1481.48,1181.02 -1496.65,1166.61 -1497.64,1133.78 -1443.17,1133.78 -1408.92,1168.03 -1408.92,1181.02
  pour cut-out: -1711.42,1181.02 -1711.42,1133.78 -1746.65,1133.78
  pour cut-out: -1711.42,866.02 -1711.42,821.61 -1746.65,821.61 -1746.65,866.02
Power:
  pour cut-out: -653.88,1503.95 -531.56,1503.95 -541.64,1493.87 -653.88,1493.87
  pour cut-out: -396.83,1935.08 -391.18,1929.44 -378.84,1929.44
  pour cut-out: -699.77,1559.77 -681.41,1559.77 -681.41,1549.32 -699.55,1551.35
  pour cut-out: -675.76,853.74 -722.61,853.74 -722.61,844.32 -675.76,847.93
  pour cut-out: -671.79,1007.96 -721.37,1007.96 -721.37,998.3
  pour cut-out: -1715.35,1510.78 -1820,1510.78 -1820,1410 -1825,1405
  pour cut-out: -386.67,315.6 -386.67,415.6 -358.65,415.6 -346.13,403.08
  pour cut-out: 47.89,1348.62 19.68,1348.62 19.68,1369.69
Bottom Layer:
  pour cut-out: -1645.57,1336.16 -1660.65,1336.16 -1660.65,1267.24 -1630.89,1267.24
  pour cut-out: -481.26,1727.05 -481.26,1737.05 -455.08,1737.05 -465.08,1727.05
  pour cut-out: -1425.78,1347.2 -1495.39,1347.2 -1497.67,1349.49 -1497.67,1324.88
  pour cut-out: -1165.78,1347.2 -1235.39,1347.2 -1237.67,1349.49 -1237.67,1317.74
  pour cut-out: -967.68,1345.37 -967.68,1267.24 -985,1267.24
  pour cut-out: 111.99,1312.11 87.42,1312.11 87.42,1297.74
  pour cut-out: -1650.78,746.61 -1650.78,591.61 -1632.66,591.61
  pour cut-out: -1420.58,737.19 -1381.65,737.19 -1381.65,765.04 -1420.58,765.04
  pour cut-out: -921.65,721.61 -921.65,565.64 -611.39,565.64 -611.39,721.61
  pour cut-out: -1676.65,845.28 -1676.65,880.28 -1711.65,880.28
  pour cut-out: -1381.65,854.53 -1381.65,878.68 -1407.05,878.68

## Silkscreen, mask and mechanical layers (free items; w line width, h text height)
Top Overlay:
  drawing of 5 lines, arcs and shapes, not listed
  text "M3x6" at -1520,2045 h50 r270
  text "TMC_DBG" at -208.99,1809.28 h60
  text "3.3V" at -84.01,1661.94 h60
  text "V" at -1464.34,1643.24 h80
  text "W" at -1204.25,1643.24 h80
  text "U" at -1724.46,1642.58 h80
  text "MCU_DBG" at 146.59,1297.24 h60
  text "5V" at 302.62,767.4 h60
  text "M3x6" at -55,435.36 h50 r270
  text "12V" at -1787.15,367.61 h60
Bottom Overlay:
  lines w8: -420.62,1770.42 -374.04,1839.28
Mechanical 1:
  the board outline again, w5

## Text inside footprints (layer, text, board x,y; h text height)
D1: Mechanical 15 "D-C" at -484.26,1835.09 h20 r90; Mechanical 15 "G-B" at -554.26,1855.09 h20 r90; Mechanical 15 "S-E" at -506.26,1925.09 h20 r90
D9: Mechanical 15 "D-C" at -1056.78,1891.24 h20 r180; Mechanical 15 "G-B" at -1076.78,1821.24 h20 r180; Mechanical 15 "S-E" at -1146.78,1869.24 h20 r180
Q7: Mechanical 15 "S-E" at -720.72,1836.7 h20; Mechanical 15 "G-B" at -790.72,1884.7 h20; Mechanical 15 "D-C" at -810.72,1814.7 h20
Q9: Mechanical 15 "D-C" at -1106.19,85.92 h20; Mechanical 15 "G-B" at -1126.19,155.92 h20; Mechanical 15 "S-E" at -1196.19,107.92 h20
U1: Top Overlay "*" at -252.24,844.09 h50 r90; Mechanical 13 "*" at -252.24,901.09 h50 r90